# Altium PCB PCB_v2.PcbDoc (part 5 of 8) (continued)
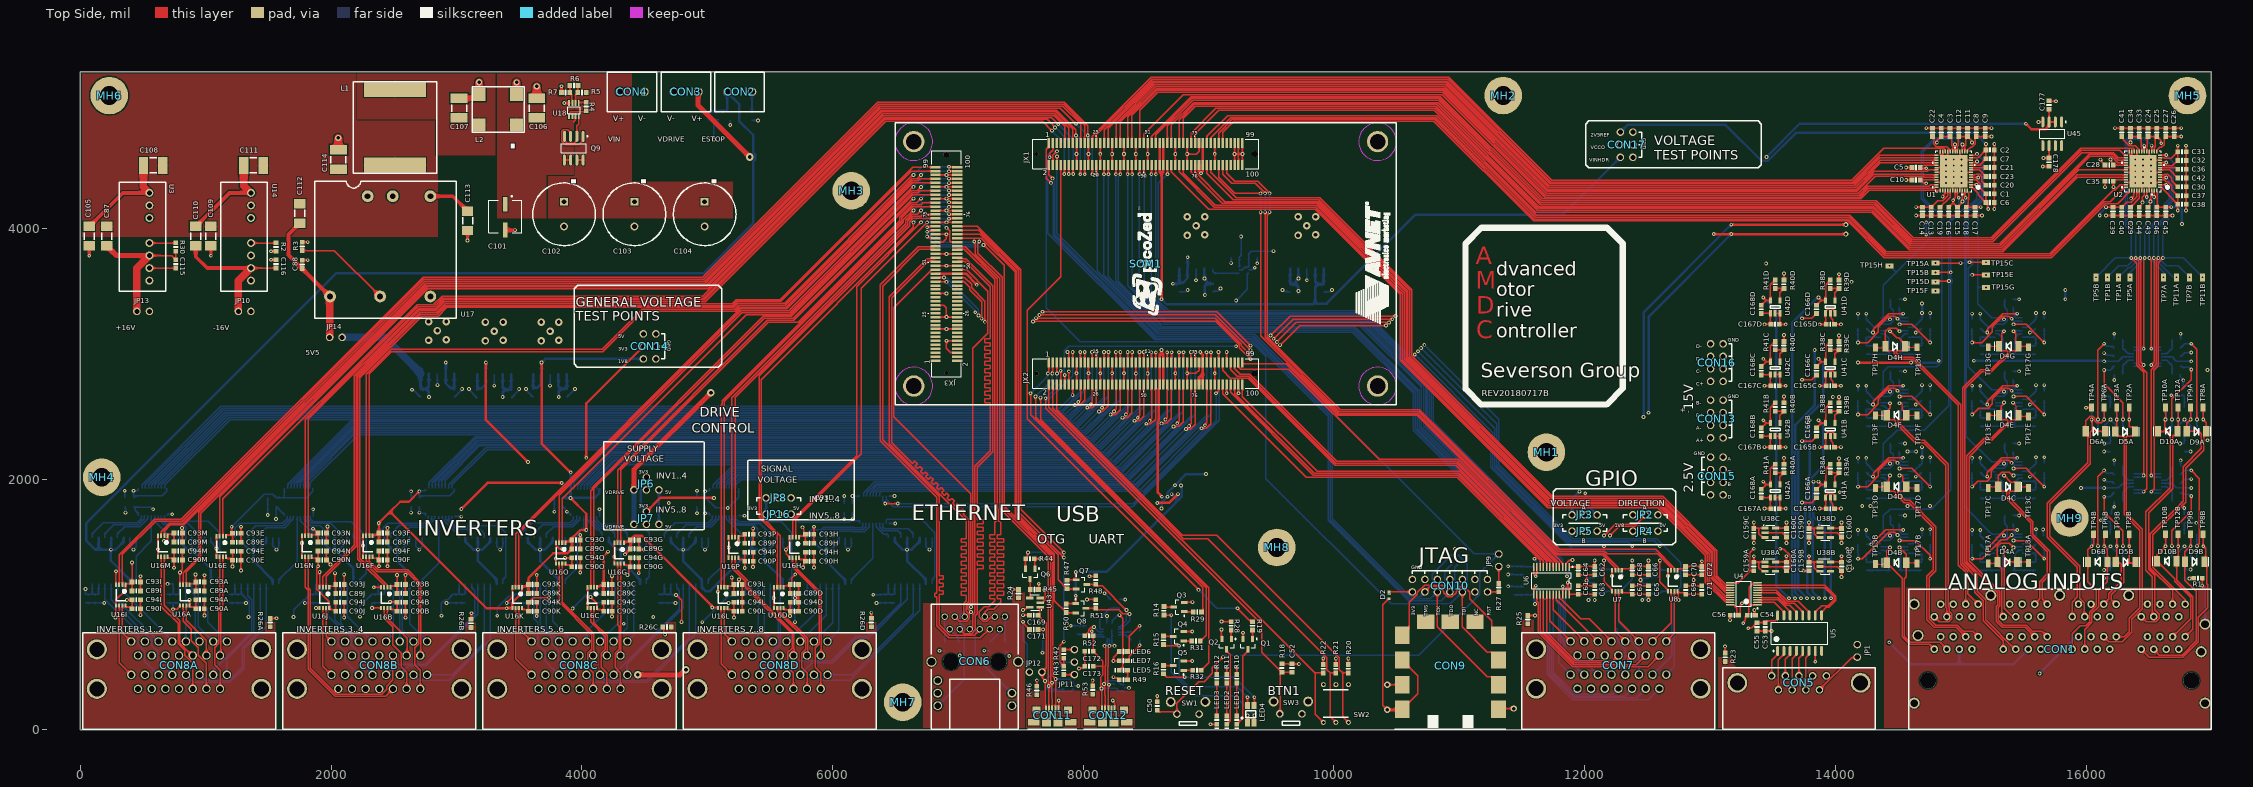
[diagram p0: Top Side view]
## Nets (pads, with @x,y where several pads share a name; then routed paths per layer and width w, separated by ;. In a path a pad name is that pad's centre, name@x,y a point inside that pad or via, vN(x,y) a via of type N, cw(c..) or ccw(c..) an arc to the next point about the centre after c; other vN are vias at no path point) (continued)
  Top Side w20: v1(70,3782.14) C105.2@70,3861.05 ; v1(1040,3782.14) C109.2@1040,3861.05 ; v1(3088.08,3904.89) C113.2@3088.08,3983.8
  Bottom Side w10: C95F.2@40,1012.83 v1(190,1012.83) ; v1(353.31,1907.6) 353.31,1855.46 C92F.2@356.17,1852.6 ; C91F.2@356.17,1782.6 358.31,1780.46 v1(358.31,1732.6) ; U12F.7@394.63,1532.09 394.63,1466.28 v1(423.31,1437.6) 444.63,1458.92 U12F.8@444.63,1532.09 ; C96F.2@690,1012.83 C98F.2@738.31,1012.83 ; U13F.11@693.03,1709.09 693.03,1720 v1(732,1720) ; v1(738.31,961.69) C98F.2@738.31,1012.83 ; C100F.2@790,1012.83 C98F.2@738.31,1012.83 ; U15F.7@1039.63,1533.62 1039.63,1502.13 1060.35,1481.4 1060.35,1471.71 v1(1085,1447.06) 1085,1452.47 1089.63,1457.11 U15F.8@1089.63,1533.62 ; C95E.2@1184.02,1012.83 v1(1320,1012.83) ; v1(1494.24,1714.24) C92E.2@1494.24,1852.6 ; U12E.7@1532.7,1532.09 1532.7,1468.2 v1(1563.31,1437.6) 1563.31,1441.24 1582.7,1460.63 U12E.8@1582.7,1532.09 ; v1(1790,1012.83) C100E.2@1927.7,1012.83 ; U13E.11@1856.26,1702.6 v1(1856.26,1760) ; U15E.7@2177.7,1567.7 U15E.7@2177.7,1533.62 U15E.8@2227.7,1533.62 2227.7,1501.15 2251.32,1477.53 2251.32,1471.91 v1(2253.23,1470) ; v1(2325,972.11) 2325.19,972.3 2325.19,1012.65 C95D.2@2325.38,1012.83 C99D.2@2425.38,1012.83 ; C91D.2@2637.31,1782.6 2638.31,1781.6 v1(2638.31,1732.6) ; C92D.2@2637.31,1852.6 2638.31,1853.6 v1(2638.31,1902.6) ; v1(2645,2713.46) 2646.91,2711.55 2653.39,2711.55 C163A.2@2713.41,2651.54 ; U12D.7@2675.77,1532.09 2675.38,1531.69 2675.38,1465.53 v1(2703.31,1437.6) 2725.38,1459.67 2725.38,1531.69 U12D.8@2725.77,1532.09 ; v1(2847.41,2750) U40A.3@2847.41,2840 ; v1(2920,1012.83) C100D.2@3070,1012.83 ; C164A.2@2981.41,2651.54 3043.09,2713.22 3043.09,2718.08 v1(3045,2719.99) ; U13D.11@2986.22,1702.41 3036.39,1702.41 v1(3038.31,1700.5) ; v1(3100,2720) 3101.91,2718.09 3101.91,2711.62 C162.2@3167,2646.54 ; v1(3301,2745.65) U39.3@3301,2835.65 ; U15D.7@3320.77,1533.62 3320.38,1533.23 3320.38,1465.53 v1(3348.31,1437.6) 3370.38,1459.67 3370.38,1533.23 U15D.8@3370.77,1533.62 ; v1(3400,1012.83) C99C.2@3566.91,1012.83 ; C161.2@3435,2646.54 3498.09,2709.62 3498.09,2718.09 v1(3500,2720) ; v1(3555,2720) 3556.91,2718.09 3556.91,2708.12 C158A.2@3611.97,2653.07 ; v1(3746,2745.65) U37A.3@3746,2835.65 ; v1(3780.38,1740) C91C.2@3780.38,1782.6 C92C.2@3780.38,1852.6 ; U12C.7@3816.91,1532.09 3817.61,1531.39 3817.61,1469.01 3843.84,1442.77 v1(3843.84,1442.06) 3866.22,1464.44 3866.22,1531.39 U12C.8@3866.91,1532.09 ; C157A.2@3880,2653.07 3945,2718.07 v1(3945,2720) ; v1(4047.15,1010) 4048.57,1011.42 4114.25,1011.42 C96C.2@4115.67,1012.83 C100C.2@4213.84,1012.83 ; U13C.11@4141.26,1701.5 v1(4141.26,1760) ; U15C.7@4463.84,1533.62 4463.84,1467.06 v1(4493.31,1437.6) 4493.31,1438.95 4513.84,1459.49 U15C.8@4513.84,1533.62 ; C95B.2@4610,1012.83 v1(4747.6,1012.83) ; v1(4918.31,1907.6) 4918.31,1852.74 C92B.2@4918.45,1852.6 ; v1@4918.45,1727.74 4918.31,1727.88 4918.31,1782.46 C91B.2@4918.45,1782.6 ; U12B.7@4956.91,1532.09 4958.45,1530.55 4958.45,1462.46 v1(4983.31,1437.6) 5008.45,1462.74 5008.45,1530.55 U12B.8@5006.91,1532.09 ; R17.1@5014,4866.54 5054,4866.54 ; v1(5054,4710) 5054,4866.54 ; C51.1@5094,4866.54 5054,4866.54 ; v1(5170,1012.83) C100B.2@5353.26,1012.83 ; v1(5184,4824.33) D1.2@5184,4862.6 ; U13B.11@5251.48,1708.72 5297.69,1708.72 v1(5298.06,1708.35) ; U15B.7@5601.91,1533.62 5603.45,1532.09 5603.45,1462.46 v1(5628.31,1437.6) 5653.45,1462.74 5653.45,1532.09 U15B.8@5651.91,1533.62 ; v1(5700,1052.4) 5701.91,1050.49 5710.65,1050.49 C95A.2@5748.31,1012.83 C99A.2@5849.98,1012.83 ; C91A.2@6091.52,1734.96 6093.31,1733.17 v1(6093.31,1679.96) ; C92A.2@6091.52,1804.96 6093.31,1806.75 v1(6093.31,1864.96) ; U12A.7@6099.98,1532.09 6099.98,1460.92 v1(6123.31,1437.6) 6149.98,1464.28 U12A.8@6149.98,1532.09 ; v1@6348.83,1012.83 C100A.2@6494.98,1012.83 ; U13A.11@6448.56,1646.5 v1(6500,1646.5) ; U15A.7@6744.98,1533.62 6744.98,1465.92 v1(6773.31,1437.6) 6794.98,1459.28 U15A.8@6794.98,1533.62 ; v1(6853,630.59) 6893.62,630.59 C57.1@6895,631.97 ; C58.1@7015,631.97 7015.08,631.89 v1(7015.08,594) ; v1(7210,631.63) 7254.66,631.63 C59.1@7255,631.97 ; C60.1@7375,631.97 7406.17,600.8 7406.17,592.86 v1(7410,589.03) ; v1(7675,615) C170.1@7675,715 ; v1(7900,830) 7948.46,830 C175.1@7950,828.46 C174.1@8025,828.46 ; D7.2@7922.4,350 v1(7960,350) ; v1(8170,1090) 8170,1088.46 C176.1@8220,1038.46 ; U44.12@8189.41,850.83 v1(8189.41,907.88) ; U44.21@8228.78,799.84 U44.3@8228.78,728.98 8229.15,728.61 8229.15,691.58 8250,670.73 v1(8250,670) ; D8.2@8327.4,335 v1(8365,335) ; C158B.2@8766.02,3491.54 8768.9,3494.41 8814.72,3494.41 8830.32,3510 v1(8833.02,3510) ; v1(8900.02,3586.54) U37B.3@8900.02,3676.54 ; C157B.2@9034.02,3491.54 9042.72,3500.24 9072.53,3500.24 9092.29,3520 v1(9095,3520) ; C86.2@9179.65,3771.54 9180,3771.18 v1(9180,3723.07) ; U34.2@9320.51,3666.54 9323.39,3669.41 9345.57,3669.41 9362.7,3686.54 v1(9368.11,3686.54) ; C85.2@9386.58,3771.54 9388.11,3770 v1(9388.11,3721.54) ; v1(9590,3510) 9592.71,3510 9605.93,3496.77 9641.18,3496.77 C163B.2@9649.88,3488.07 ; v1(9783.88,3586.54) U40B.3@9783.88,3676.54 ; C164B.2@9917.88,3488.07 9924.1,3494.29 9966.58,3494.29 9982.29,3510 v1(9985,3510) ; D3.2@10964.18,1397.4 10964.59,1397.81 10964.59,1444.59 v1(10965,1445) ; v1(11390,1145) 11438.46,1145 C75.2@11440,1143.46 C73.2@11515,1143.46 ; v1(11390,1240) 11436.54,1240 C76.2@11440,1236.54 C74.2@11515,1236.54 ; v1(11610,1150) 11635.75,1124.25 11635.75,1115.04 11645.43,1105.35 U9.22@11645.43,1079.76 ; v1(11825,1145) 11828.83,1141.17 11840.29,1141.17 11866.06,1115.4 11866.06,1115.04 11875.75,1105.35 U9.13@11875.75,1079.76 ; U9.11@11850.16,1300.24 11850.16,1239.4 11855.75,1233.81 11855.75,1229.25 v1(11860,1225) 11875.75,1240.75 U9.12@11875.75,1300.24 ; C77.2@12155,1158.46 C79.2@12085,1158.46 12071.3,1172.17 12038.25,1172.17 12020.41,1190 v1(12015,1190) 12037.83,1212.83 12071.3,1212.83 C80.2@12085,1226.54 C78.2@12155,1226.54 ; v1(12296.77,1226.54) U10.4@12296.77,1272.87 ; C83.2@12600,1158.46 12525,1158.46 C81.2@12520,1153.46 12506.3,1167.17 12472.83,1167.17 v1(12445,1195) 12450.41,1195 12463.25,1207.83 12506.3,1207.83 C84.2@12520,1221.54 C82.2@12600,1221.54 ; v1(12741.77,1226.54) U11.4@12741.77,1272.87 ; C189B.2@14179.7,1550 14181.63,1551.93 v1(14181.63,1595) ; C189D.2@14179.7,2125 14181.63,2126.93 v1(14181.63,2170) ; C189F.2@14179.7,2700 14181.63,2701.93 v1(14181.63,2745) ; C189H.2@14179.7,3275 14181.63,3276.93 v1(14181.63,3320) ; C48B.1@14506.63,1710 v1(14556.63,1710) ; C48D.1@14506.63,2285 v1(14556.63,2285) ; C48F.1@14506.63,2860 v1(14556.63,2860) ; C48H.1@14506.63,3435 v1(14556.63,3435) ; C190B.2@14756.63,1550 v1(14756.63,1600) ; C190D.2@14756.63,2125 v1(14756.63,2175) ; C190F.2@14756.63,2700 v1(14756.63,2750) ; C190H.2@14756.63,3275 v1(14756.63,3325) ; C189A.2@15089.7,1550 15091.63,1551.93 v1(15091.63,1595) ; C189C.2@15089.7,2125 15091.63,2126.93 v1(15091.63,2170) ; C189E.2@15089.7,2700 15091.63,2701.93 v1(15091.63,2745) ; C189G.2@15089.7,3275 15091.63,3276.93 v1(15091.63,3320) ; C48A.1@15416.63,1710 v1(15466.63,1710) ; C48C.1@15416.63,2285 v1(15466.63,2285) ; C48E.1@15416.63,2860 v1(15466.63,2860) ; C48G.1@15416.63,3435 v1(15466.63,3435) ; v1(15658.31,1598.07) 15658.31,1558.32 C190A.2@15666.63,1550 ; C190C.2@15666.63,2125 v1(15666.63,2175) ; C190E.2@15666.63,2700 v1(15666.63,2750) ; C190G.2@15666.63,3275 v1(15666.63,3325) ; v1(16140,2730) 16193.46,2730 C179A.2@16195,2728.46 ; v1(16145,1210) 16191.54,1210 C180B.2@16195,1206.54 ; v1(16145,1995) 16150.41,1995 16166.71,1978.7 16212.83,1978.7 C187B.2@16226.54,1965 ; v1(16145,2220) 16191.54,2220 C180A.2@16195,2216.54 ; v1(16145,3005) 16150.41,3005 16166.71,2988.7 16212.83,2988.7 C187A.2@16226.54,2975 ; C179B.2@16195,1718.46 16203.7,1727.17 16203.7,1755.99 16225,1777.29 v1(16225,1780) 16225,1823.46 C181B.1@16226.54,1825 ; v1(16225,2150) 16225,2106.54 C182B.2@16226.54,2105 ; v1(16225,2790) 16225,2833.46 C181A.1@16226.54,2835 ; v1(16225,3160) 16225,3116.54 C182A.2@16226.54,3115 ; C186B.2@16753.46,1825 16767.17,1811.3 16767.17,1791.71 16783.46,1775.41 v1(16783.46,1770) 16784.23,1769.23 16784.23,1717.7 C183B.2@16785,1716.93 ; C188B.2@16753.46,1965 16788.46,2000 v1(16840,2000) ; C185B.1@16753.46,2105 16755,2106.54 v1(16755,2150) ; C186A.2@16753.46,2835 16753.31,2834.84 16753.31,2814.54 16772.86,2794.98 16772.86,2791.54 v1(16776.3,2788.1) 16776.3,2735.63 C183A.2@16785,2726.93 ; C188A.2@16753.46,2975 16788.46,3010 v1(16840,3010) ; C185A.1@16753.46,3115 16755,3116.54 v1(16755,3160) ; C184B.2@16785,1211.54 16790,1206.54 v1(16826.31,1206.54) ; C184A.2@16785,2221.54 16786.54,2220 v1(16835,2220)
  other v1: 9102.35,800 1563.31,890 6350,1012.83 12870,1195 793.23,1255 4258.76,1380 618.23,1440 5171.41,1454.55 1767.11,1490 1970,1621.6 4918.31,1727.6
  other v2: 14882.5,4364.04 14945,4364.04 15007.5,4364.04 16392.5,4364.04 16455,4364.04 16517.5,4364.04 14882.5,4410.29 14945,4410.29 15007.5,4410.29 16392.5,4410.29 16455,4410.29 16517.5,4410.29 14882.5,4456.54 15007.5,4456.54 16392.5,4456.54 16517.5,4456.54 14882.5,4502.79 14945,4502.79 15007.5,4502.79 16392.5,4502.79 16455,4502.79 16517.5,4502.79 14882.5,4549.04 14945,4549.04 15007.5,4549.04 16392.5,4549.04 16455,4549.04 16517.5,4549.04
  other v3: 3231,3103.05 3676,3103.05 2777.41,3107.4 3371,3108.05 3816,3108.05 2917.41,3112.4 3301,3180.65 3746,3180.65 2847.41,3185 3231,3253.05 3371,3253.05 3676,3253.05 3816,3253.05 2777.41,3257.4 2917.41,3257.4 8830.02,3943.94 9713.88,3943.94 8970.02,3948.94 9853.88,3948.94 8900.02,4021.54 9783.88,4021.54 8830.02,4093.94 8970.02,4093.94 9713.88,4093.94 9853.88,4093.94
GND_IN: C101.2 C102.2 C103.2 C104.2 C106.1 CON4.2 L2.2 R7.1 U18.4 | length 358.5
  Top Side w20: R7.1@3837.42,5085.12 v1(3837.42,5134.89) ; v1(3859.08,5000.12) U18.4@3898.45,5000.12
  Top Side w30: C101.2@3388.85,3986.48 v1(3468.06,3986.48)
  Top Side w60: L2.2@3479.21,5069.99 v4(3479.21,5165.08) ; C106.1@3640,5037.95 v4(3640,5133.04)
GND_IN2: C105.1 C107.1 C108.1 C110.1 C111.1 C113.1 C114.1 L2.3 U3.1 U14.1 U17.2 U17.3 | length 2332.6
  Top Side w10: L2.3@3147.05,5037.95 L2.3@3180,5070.9
  Top Side w30: C105.1@70,4016.01 337.81,4283.81 U3.1@550,4283.81 ; C110.1@920,4016.01 1187.81,4283.81 U14.1@1360,4283.81 ; U17.3@2791.01,4257.17 2969.66,4257.17 C113.1@3088.08,4138.76
  Top Side w40: C107.1@3020.38,5037.95 L2.3@3147.05,5037.95
  Top Side w60: C108.1@502.52,4502.65 502.52,4331.29 U3.1@550,4283.81 ; C111.1@1302.52,4502.65 1302.52,4341.29 U14.1@1360,4283.81 ; C114.1@2056.83,4627 v4(2056.83,4722.08) ; L2.3@3180,5070.9 v4(3180,5165.98)
GPIO_1A: CON7.1A U8.7 | length 428.1
  Top Side w10: CON7.1A@12651,706 12716.18,771.18 U8.7@12716.18,1107.12
GPIO_1B: CON7.1B U11.6 | length 694.1
  Bottom Side w10: CON7.1B@12651,440 12716.18,505.18 U11.6@12716.18,1107.11
GPIO_2A: CON7.2A U8.6 | length 462.7
  Top Side w10: CON7.2A@12542,706 12690.59,854.59 U8.6@12690.59,1107.12
GPIO_2B: CON7.2B U11.7 | length 731.9
  Bottom Side w10: CON7.2B@12542,440 12694.5,592.5 12694.5,1093.96 12690.59,1097.87 U11.7@12690.59,1107.11
GPIO_3A: CON7.3A U7.7 | length 468.5
  Top Side w10: U7.7@12270.39,1107.12 12270.39,868.61 CON7.3A@12433,706
GPIO_3B: CON7.3B U10.6 | length 734.1
  Bottom Side w10: U10.6@12271.18,1107.11 12271.18,857.56 12367.5,761.24 12367.5,709.98 12433,644.48 CON7.3B@12433,440
GPIO_4A: CON7.4A U7.6 | length 433.9
  Top Side w10: U7.6@12244.8,1107.12 12244.8,785.2 CON7.4A@12324,706
GPIO_4B: CON7.4B U10.7 | length 699.6
  Bottom Side w10: U10.7@12245.59,1107.11 12245.59,815.85 12258.5,802.94 12258.5,709.98 12324,644.48 CON7.4B@12324,440
GPIO_5A: CON7.5A U6.21 | length 586
  Top Side w10: U6.21@11798.98,1079.76 11799.88,1078.86 11799.88,1052.91 11967.88,884.91 12036.09,884.91 CON7.5A@12215,706
GPIO_5B: CON7.5B U9.14 | length 901
  Bottom Side w10: U9.14@11850.16,1079.76 11850.16,1054.17 11844.5,1048.52 11844.5,630.48 11926.48,548.5 12106.5,548.5 CON7.5B@12215,440
GPIO_6A: CON7.6A U6.20 | length 511.5
  Top Side w10: U6.20@11773.39,1079.76 11774.29,1078.86 11774.29,1037.71 CON7.6A@12106,706
GPIO_6B: CON7.6B U9.15 | length 810.4
  Bottom Side w10: U9.15@11824.57,1079.76 11824.57,1054.17 11829.5,1049.24 11829.5,624.27 11920.27,533.5 12012.5,533.5 CON7.6B@12106,440
GPIO_7A: CON7.7A U6.19 | length 476.1
  Top Side w10: U6.19@11747.8,1079.76 11747.8,958.34 11997,709.13 CON7.7A@11995.43,707.57
GPIO_7B: CON7.7B U9.16 | length 724.4
  Bottom Side w10: U9.16@11798.98,1079.76 11798.98,1019.15 11808.5,1009.63 11808.5,624.06 11992.56,440 CON7.7B@11997,440
GPIO_8A: CON7.8A U6.18 | length 442.4
  Top Side w10: U6.18@11722.2,1079.76 11722.2,871.8 CON7.8A@11888,706
GPIO_8B: CON7.8B U9.17 | length 687.2
  Bottom Side w10: U9.17@11773.39,1079.76 11773.39,1023.53 11793.5,1003.42 11793.5,534.5 CON7.8B@11888,440
GPIO_9A: CON7.9A U6.14 | length 1421.7
  Top Side w10: U6.14@11619.84,1079.76 11619.84,1024.76 11630,1014.6 11630,779.93 11905.43,504.5 12507,504.5 CON7.9A@12596.5,594
GPIO_9B: CON7.9B U9.21 | length 1664.8
  Bottom Side w10: U9.21@11671.02,1079.76 11671.02,764.25 11703.5,731.77 11703.5,441.84 11905.84,239.5 12508,239.5 CON7.9B@12596.5,328
GPIO_10A: CON7.10A U6.15 | length 1277.2
  Top Side w10: U6.15@11645.43,1079.76 11645.43,785.71 11911.64,519.5 12413,519.5 CON7.10A@12487.5,594
GPIO_10B: CON7.10B U9.20 | length 1520.4
  Bottom Side w10: U9.20@11696.61,1079.76 11696.61,762.06 11718.5,740.17 11718.5,448.06 11912.06,254.5 12414,254.5 CON7.10B@12487.5,328
GPIO_11A: CON7.11A U6.16 | length 1131.1
  Top Side w10: U6.16@11671.02,1079.76 11671.02,782.75 11918.27,535.5 12320,535.5 CON7.11A@12378.5,594
GPIO_11B: CON7.11B U9.19 | length 1375.9
  Bottom Side w10: U9.19@11722.2,1079.76 11722.2,759.87 11733.5,748.57 11733.5,454.27 11918.27,269.5 12320,269.5 CON7.11B@12378.5,328
GPIO_12A: CON7.12A U6.17 | length 986.7
  Top Side w10: U6.17@11696.61,1079.76 11696.61,778.37 11924.48,550.5 12226,550.5 CON7.12A@12269.5,594
GPIO_12B: CON7.12B U9.18 | length 1231.5
  Bottom Side w10: U9.18@11747.8,1079.76 11748.5,1079.06 11748.5,460.48 11924.48,284.5 12226,284.5 CON7.12B@12269.5,328
HVA: C95A.1 C95B.1 C95C.1 C95D.1 C95E.1 C95F.1 C96A.1 C96B.1 C96C.1 C96D.1 C96E.1 C96F.1 C97A.1 C97B.1 C97C.1 C97D.1 C97E.1 C97F.1 C98A.1 C98B.1 C98C.1 C98D.1 C98E.1 C98F.1 C99A.1 C99B.1 C99C.1 C99D.1 C99E.1 C99F.1 C100A.1 C100B.1 C100C.1 C100D.1 C100E.1 C100F.1 CON3.1 JP6.1 JP7.1 U12A.15 U12A.16 U12B.15 U12B.16 U12C.15 U12C.16 U12D.15 U12D.16 U12E.15 U12E.16 U12F.15 U12F.16 U15A.15 U15A.16 U15B.15 U15B.16 U15C.15 U15C.16 U15D.15 U15D.16 U15E.15 U15E.16 U15F.15 U15F.16 | length 18036.7
  Top Side w10: v1(4751.17,1076.54) 4795,1032.7 v1(4795,859)
  Top Side w40: JP6.1@4415,1914.99 4415,2075 v3(5030,2690) ; CON3.1@4928.43,5090 4928.43,4981.57 v3(5340,4570)
  Ground Layer w20: v1(4334.21,845.92) 4779.21,845.92 4792.29,859 v1(4795,859)
  Power Layer w20: v1(4795,859) v1(4960,859) v1(5700,859) 5919,1078 v1(6325,1078)
  Power Layer w40: v1(40,1122.6) 82.19,1164.79 294.63,1164.79 ; v1(695,1164.79) 294.63,1164.79 ; v1(1340,900) 1340,850 ; v1(1700,900) 1700,850 ; v1(2230,903.03) 2230,850 ; v1(2880,910) 2880,850 ; v1(3325.17,910) 3325.17,850 ; v1(3926.67,968.77) 3926.67,850 ; v1(4334.21,845.92) 4311.98,868.14 ; JP7.1@4415,1640 4415,1267.57 4414,1266.57 4414,1233.43 4415,1232.43 4415,971.16 4311.98,868.14 ; v3(5030,2690) 5030,2969.92 5340,3279.92 v3(5340,4570) ; 294.63,1164.79 294.63,975.37 420,850 1340,850 ; 1340,850 1700,850 ; 1700,850 2230,850 ; 2230,850 2880,850 ; 2880,850 3325.17,850 ; 3325.17,850 3926.67,850 ; 3926.67,850 4243.29,850 4261.43,868.14 4311.98,868.14
  Bottom Side w10: v1(40,1122.6) C95F.1@40,1079.76 C99F.1@90,1079.76 ; U12F.16@94.63,1165.16 94.63,1084.39 C99F.1@90,1079.76 ; U12F.15@144.63,1165.16 144.63,1084.39 C97F.1@140,1079.76 C99F.1@90,1079.76 ; v1@686.02,1166.69 687.93,1164.79 v1(695,1164.79) 737.72,1164.79 U15F.16@739.63,1166.69 739.63,1081.09 C98F.1@738.31,1079.76 ; C96F.1@690,1079.76 C98F.1@738.31,1079.76 ; U15F.15@789.63,1166.69 789.63,1080.13 C100F.1@790,1079.76 C98F.1@738.31,1079.76 ; C95E.1@1184.02,1079.76 C97E.1@1232.7,1079.76 ; U12E.16@1232.7,1165.16 C97E.1@1232.7,1079.76 ; U12E.15@1282.7,1165.16 C99E.1@1282.7,1079.76 ; v1(1340,900) 1340,905.41 1345,910.41 1345,1023.19 1288.43,1079.76 C99E.1@1282.7,1079.76 ; v1(1700,900) 1700,958.19 1779.64,1037.83 1788.74,1037.83 C96E.1@1830.67,1079.76 C98E.1@1877.7,1079.76 ; U15E.16@1877.7,1166.69 C98E.1@1877.7,1079.76 ; U15E.15@1927.7,1166.69 C100E.1@1927.7,1079.76 C98E.1@1877.7,1079.76 ; v1(2230,903.03) 2230,984.39 C95D.1@2325.38,1079.76 C97D.1@2375.38,1079.76 ; U12D.16@2375.38,1165.16 C97D.1@2375.38,1079.76 ; U12D.15@2425.38,1165.16 C99D.1@2425.38,1079.76 C97D.1@2375.38,1079.76 ; v1(2880,910) 2880,1008.19 2910.85,1039.04 2929.28,1039.04 C96D.1@2970,1079.76 C98D.1@3020.38,1079.76 ; U15D.16@3020.38,1166.69 C98D.1@3020.38,1079.76 ; U15D.15@3070.38,1166.69 3070.38,1080.14 C100D.1@3070,1079.76 C98D.1@3020.38,1079.76 ; v1(3325.17,910) 3325.17,973.36 3417.87,1066.06 3456.3,1066.06 C95C.1@3470,1079.76 C97C.1@3516.91,1079.76 ; U12C.16@3516.91,1165.16 C97C.1@3516.91,1079.76 ; U12C.15@3566.91,1165.16 C99C.1@3566.91,1079.76 C97C.1@3516.91,1079.76 ; v1(3926.67,968.77) 4042.89,1085 4110.43,1085 C96C.1@4115.67,1079.76 C98C.1@4163.84,1079.76 ; U15C.16@4163.84,1166.69 C98C.1@4163.84,1079.76 ; U15C.15@4213.84,1166.69 C100C.1@4213.84,1079.76 C98C.1@4163.84,1079.76 ; C95B.1@4610,1079.76 C97B.1@4658.45,1079.76 ; U12B.16@4658.45,1165.16 C97B.1@4658.45,1079.76 ; U12B.15@4708.45,1165.16 C99B.1@4708.45,1079.76 ; v1(4751.17,1076.54) 4711.68,1076.54 C99B.1@4708.45,1079.76 ; v1@4960,860 4961,860 5167.06,1066.06 5229.55,1066.06 C96B.1@5243.26,1079.76 C98B.1@5298.26,1079.76 ; U15B.16@5303.45,1166.69 5303.45,1084.96 C98B.1@5298.26,1079.76 ; U15B.15@5353.45,1166.69 5353.45,1079.96 C100B.1@5353.26,1079.76 C98B.1@5298.26,1079.76 ; v1(5700,859) 5700,951.08 5675,976.08 5675,1062.76 5689.64,1077.4 5745.94,1077.4 C95A.1@5748.31,1079.76 C97A.1@5799.98,1079.76 ; U12A.16@5799.98,1165.16 C97A.1@5799.98,1079.76 ; U12A.15@5849.98,1165.16 C99A.1@5849.98,1079.76 C97A.1@5799.98,1079.76 ; v1(6325,1078) 6396.54,1078 C96A.1@6398.31,1079.76 C98A.1@6444.98,1079.76 ; U15A.16@6444.98,1166.69 C98A.1@6444.98,1079.76 ; U15A.15@6494.98,1166.69 C100A.1@6494.98,1079.76 C98A.1@6444.98,1079.76 ; C97E.1@1232.7,1079.76 C99E.1@1282.7,1079.76 ; C97B.1@4658.45,1079.76 C99B.1@4708.45,1079.76
  Bottom Side w40: JP7.1@4415,1640 JP6.1@4415,1914.99
INV1_PWM1: CON8A.1A U15F.11 | length 535.6
  Bottom Side w10: U15F.11@989.63,1166.69 989.63,980 1013.46,956.17 1013.46,859.54 CON8A.1A@1168,705
INV1_PWM2: CON8A.2A U15F.12 | length 511.1
  Bottom Side w10: U15F.12@939.63,1166.69 939.63,824.37 CON8A.2A@1059,705
INV1_PWM3: CON8A.3A U15F.13 | length 486.7
  Bottom Side w10: U15F.13@889.63,1166.69 889.63,1096.04 915.66,1070 915.66,739.34 CON8A.3A@950,705
INV1_PWM4: CON8A.4A U15F.14 | length 462.3
  Bottom Side w10: U15F.14@839.63,1166.69 840.32,1166.01 840.32,705.68 CON8A.4A@841,705
INV1_PWM5: CON8A.5A U12F.11 | length 620.6
  Bottom Side w10: U12F.11@344.63,1165.16 344.63,1097.39 732,710.02 CON8A.5A@732,705
INV1_PWM6: CON8A.6A U12F.12 | length 596.2
  Bottom Side w10: U12F.12@294.63,1165.16 294.63,1033.37 CON8A.6A@623,705
INV2_PWM1: CON8A.1B U12E.13 | length 815.1
  Bottom Side w10: CON8A.1B@1168,439 1168,564.77 1382.7,779.47 U12E.13@1382.7,1165.16
INV2_PWM2: CON8A.2B U12E.14 | length 866.3
  Bottom Side w10: CON8A.2B@1059,439 1059,476.98 1365,782.98 1365,1038.46 1332.7,1070.76 U12E.14@1332.7,1165.16
INV2_PWM3: CON8A.3B U12E.12 | length 1125.9
  Bottom Side w10: CON8A.3B@950,439 993.5,395.5 1186.02,395.5 1290,499.48 1290,651.16 1432.7,793.86 U12E.12@1432.7,1165.16
INV2_PWM4: CON8A.4B U12E.11 | length 1280.4
  Bottom Side w10: CON8A.4B@841,439 899.5,380.5 1192.23,380.5 1305,493.27 1305,644.95 1482.7,822.65 U12E.11@1482.7,1165.16
INV2_PWM5: CON8A.5B U12F.13 | length 928
  Bottom Side w10: U12F.13@244.63,1165.16 244.63,1035.89 570,710.52 570,671.97 612,629.97 612,559 CON8A.5B@732,439
INV2_PWM6: CON8A.6B U12F.14 | length 903.6
  Bottom Side w10: U12F.14@194.63,1165.16 194.63,1043.56 460,778.19 460,680.97 510,630.97 510,552 CON8A.6B@623,439
INV3_PWM1: CON8B.1A U12D.11 | length 518.1
  Bottom Side w10: U12D.11@2625.38,1165.16 2625.38,844.96 CON8B.1A@2765.33,705
INV3_PWM2: CON8B.2A U12D.12 | length 500.1
  Bottom Side w10: U12D.12@2575.38,1165.16 2575.38,1129.98 2567.7,1122.3 2567.7,793.63 CON8B.2A@2656.33,705